# Altium PCB AIRZAI BASE BOARD REV C.PcbDoc (part 1 of 2)
Units mil, origin at the board's own origin, x right, y up, seen from the top; angles counter-clockwise.
Board outline 3352.11 x 2964.91 mil, 4 copper layers (Top Layer, MidLayer1, MidLayer2, Bottom Layer), stack 27.813 mil thick; 164 components, 100 nets, 463 pads, 356 vias.
Unrouted connection lines stored in the file: 150.
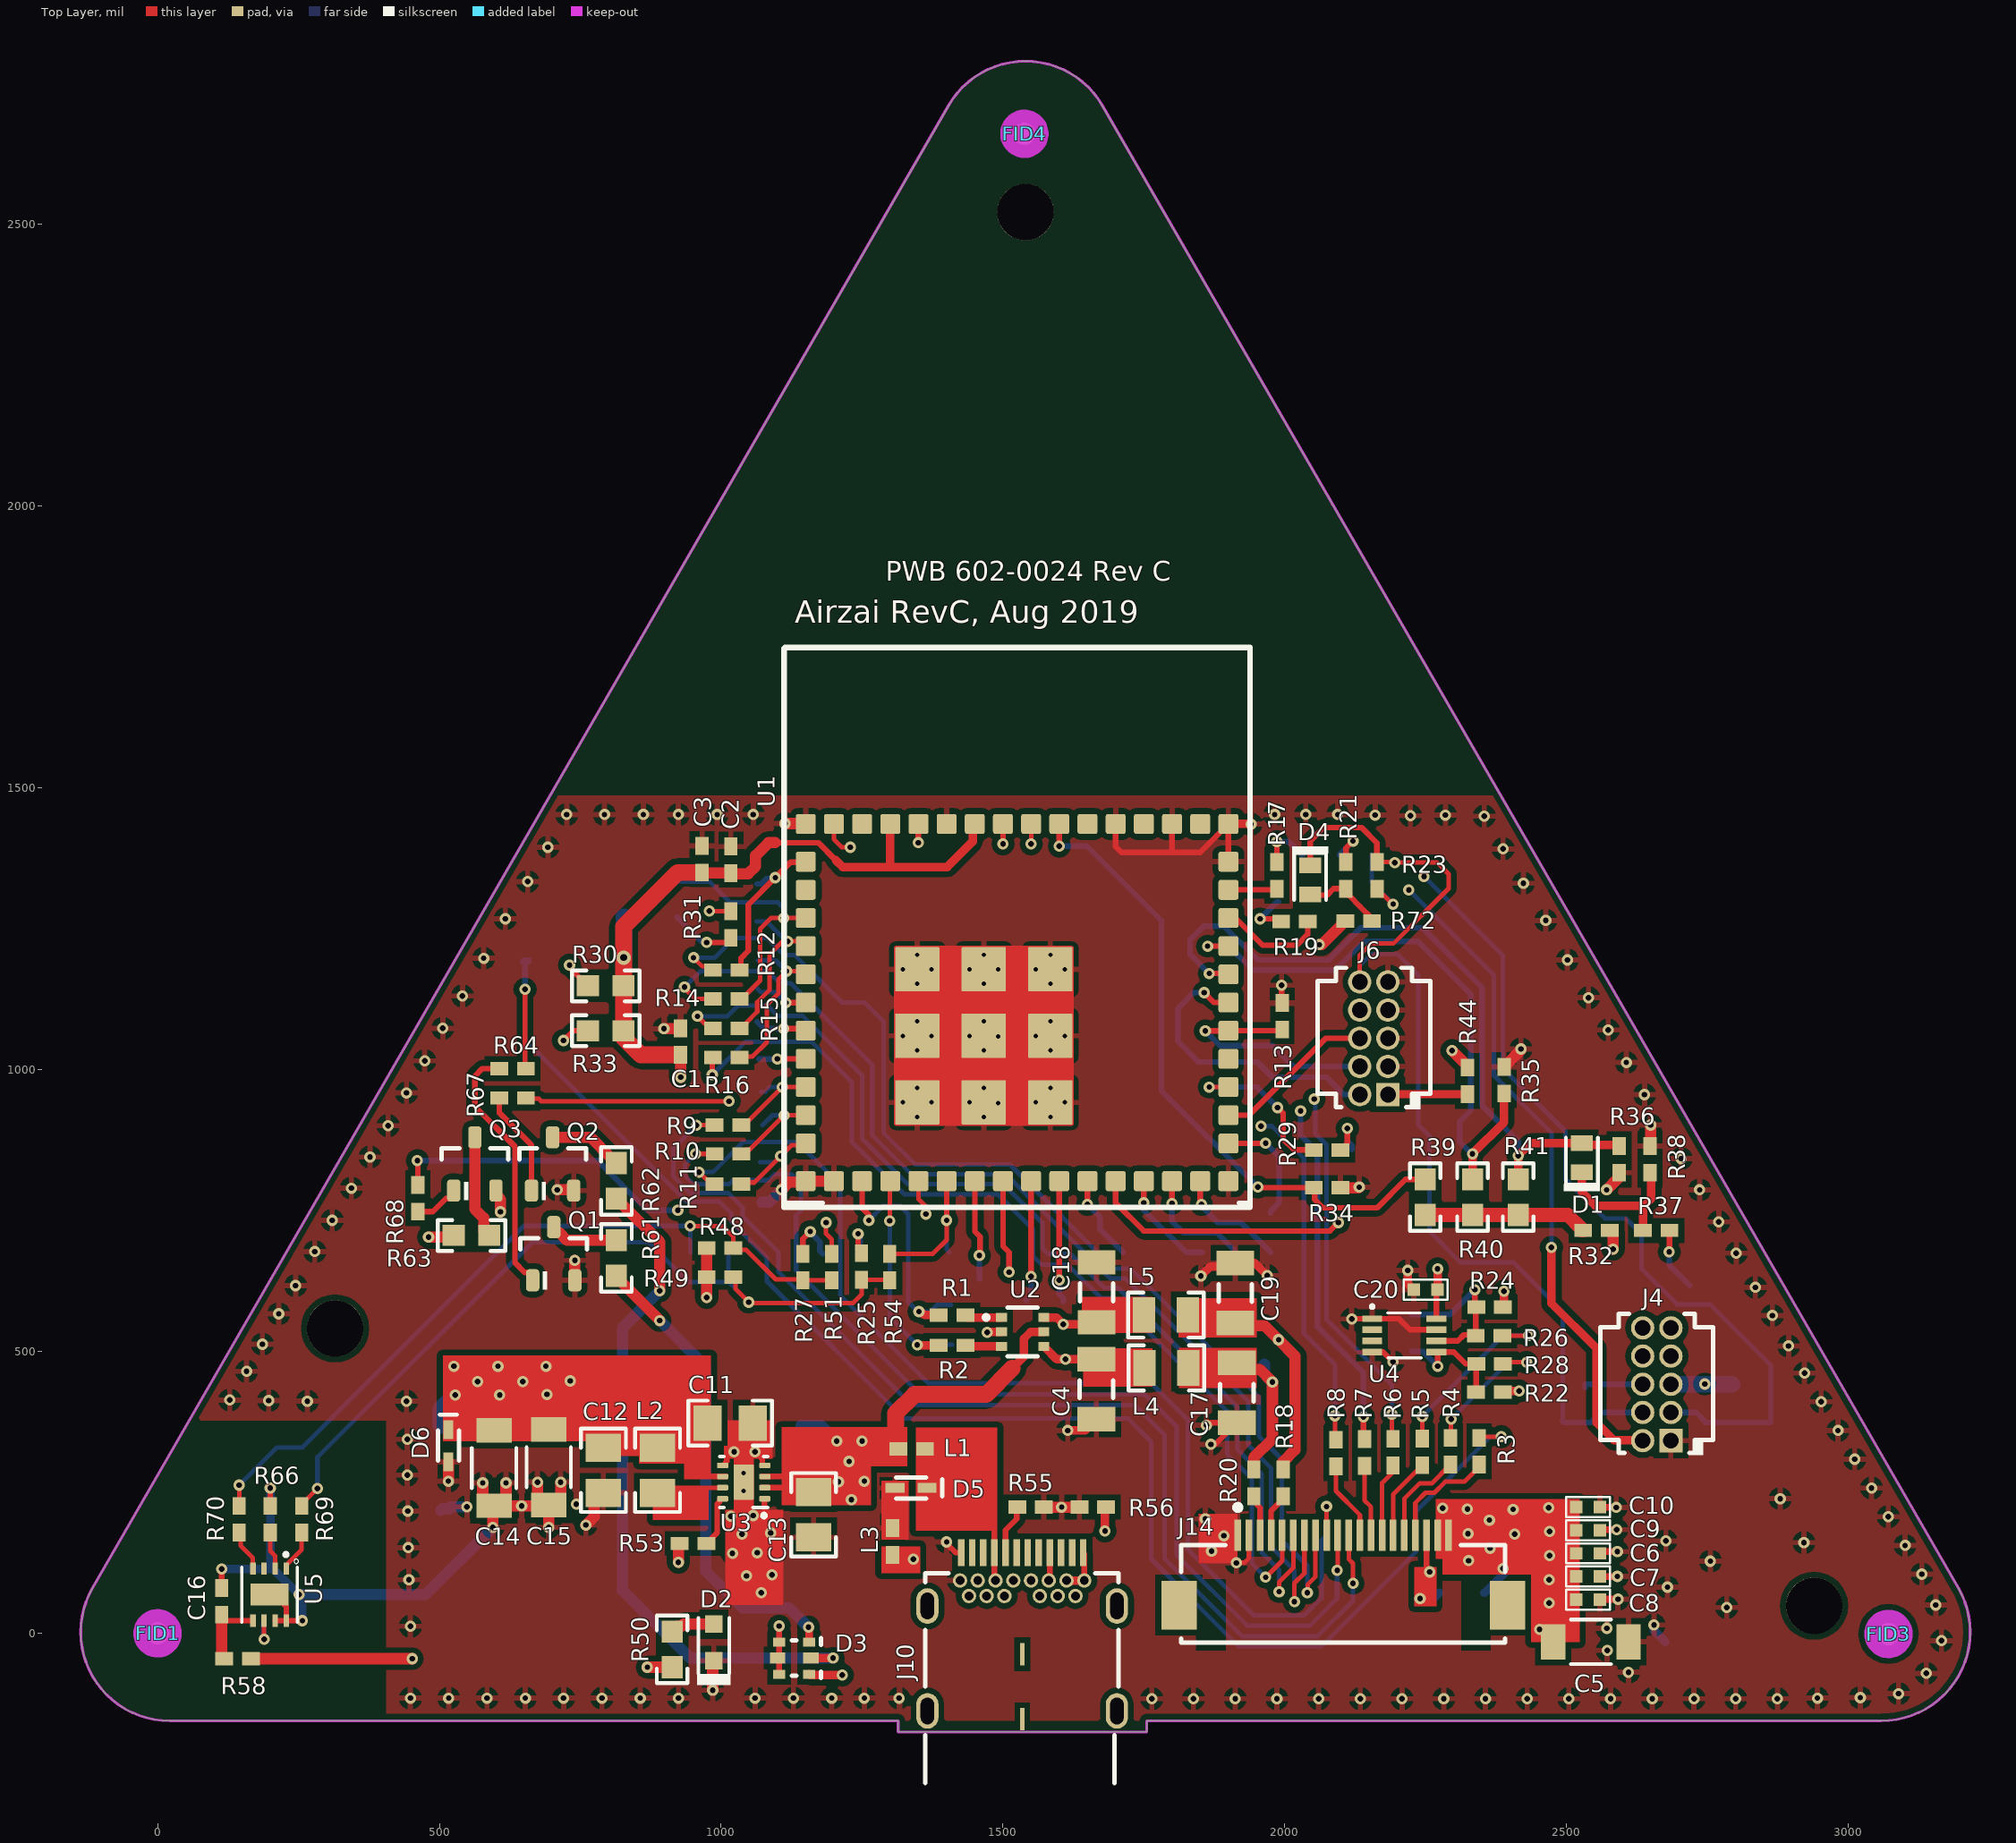
[diagram p0: Top Layer view]
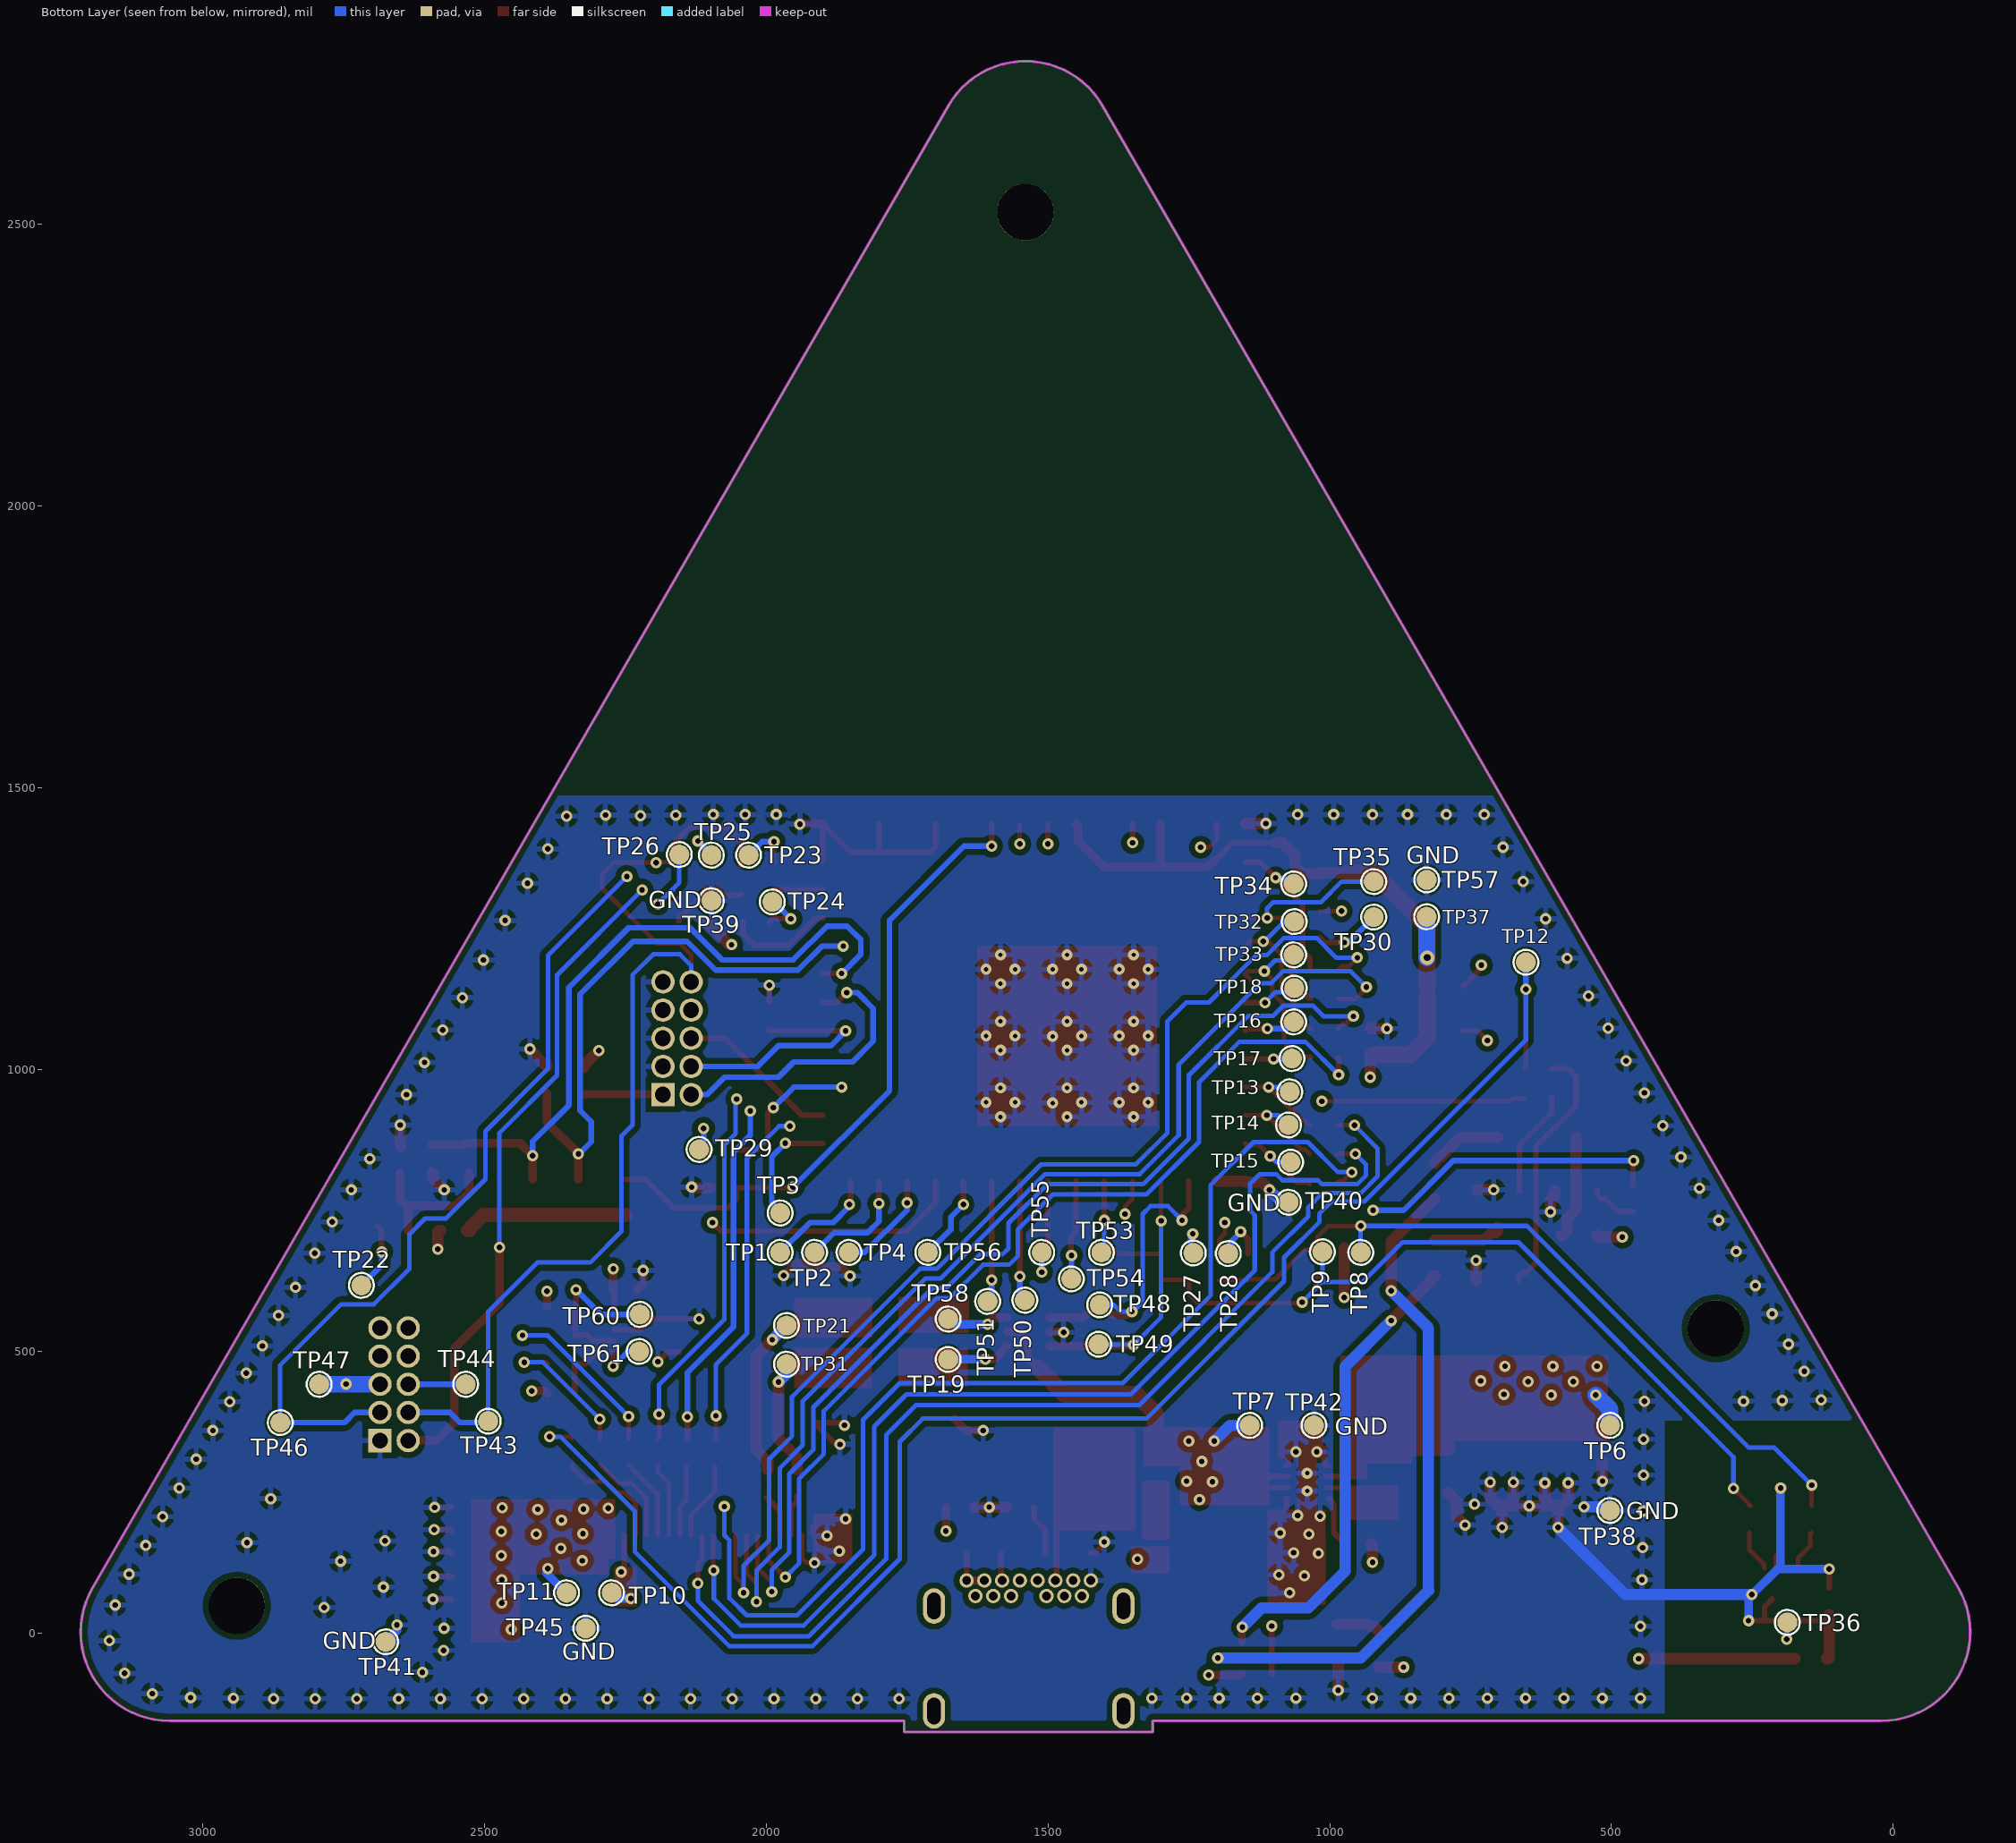
[diagram p1: Bottom Layer view, seen from below]
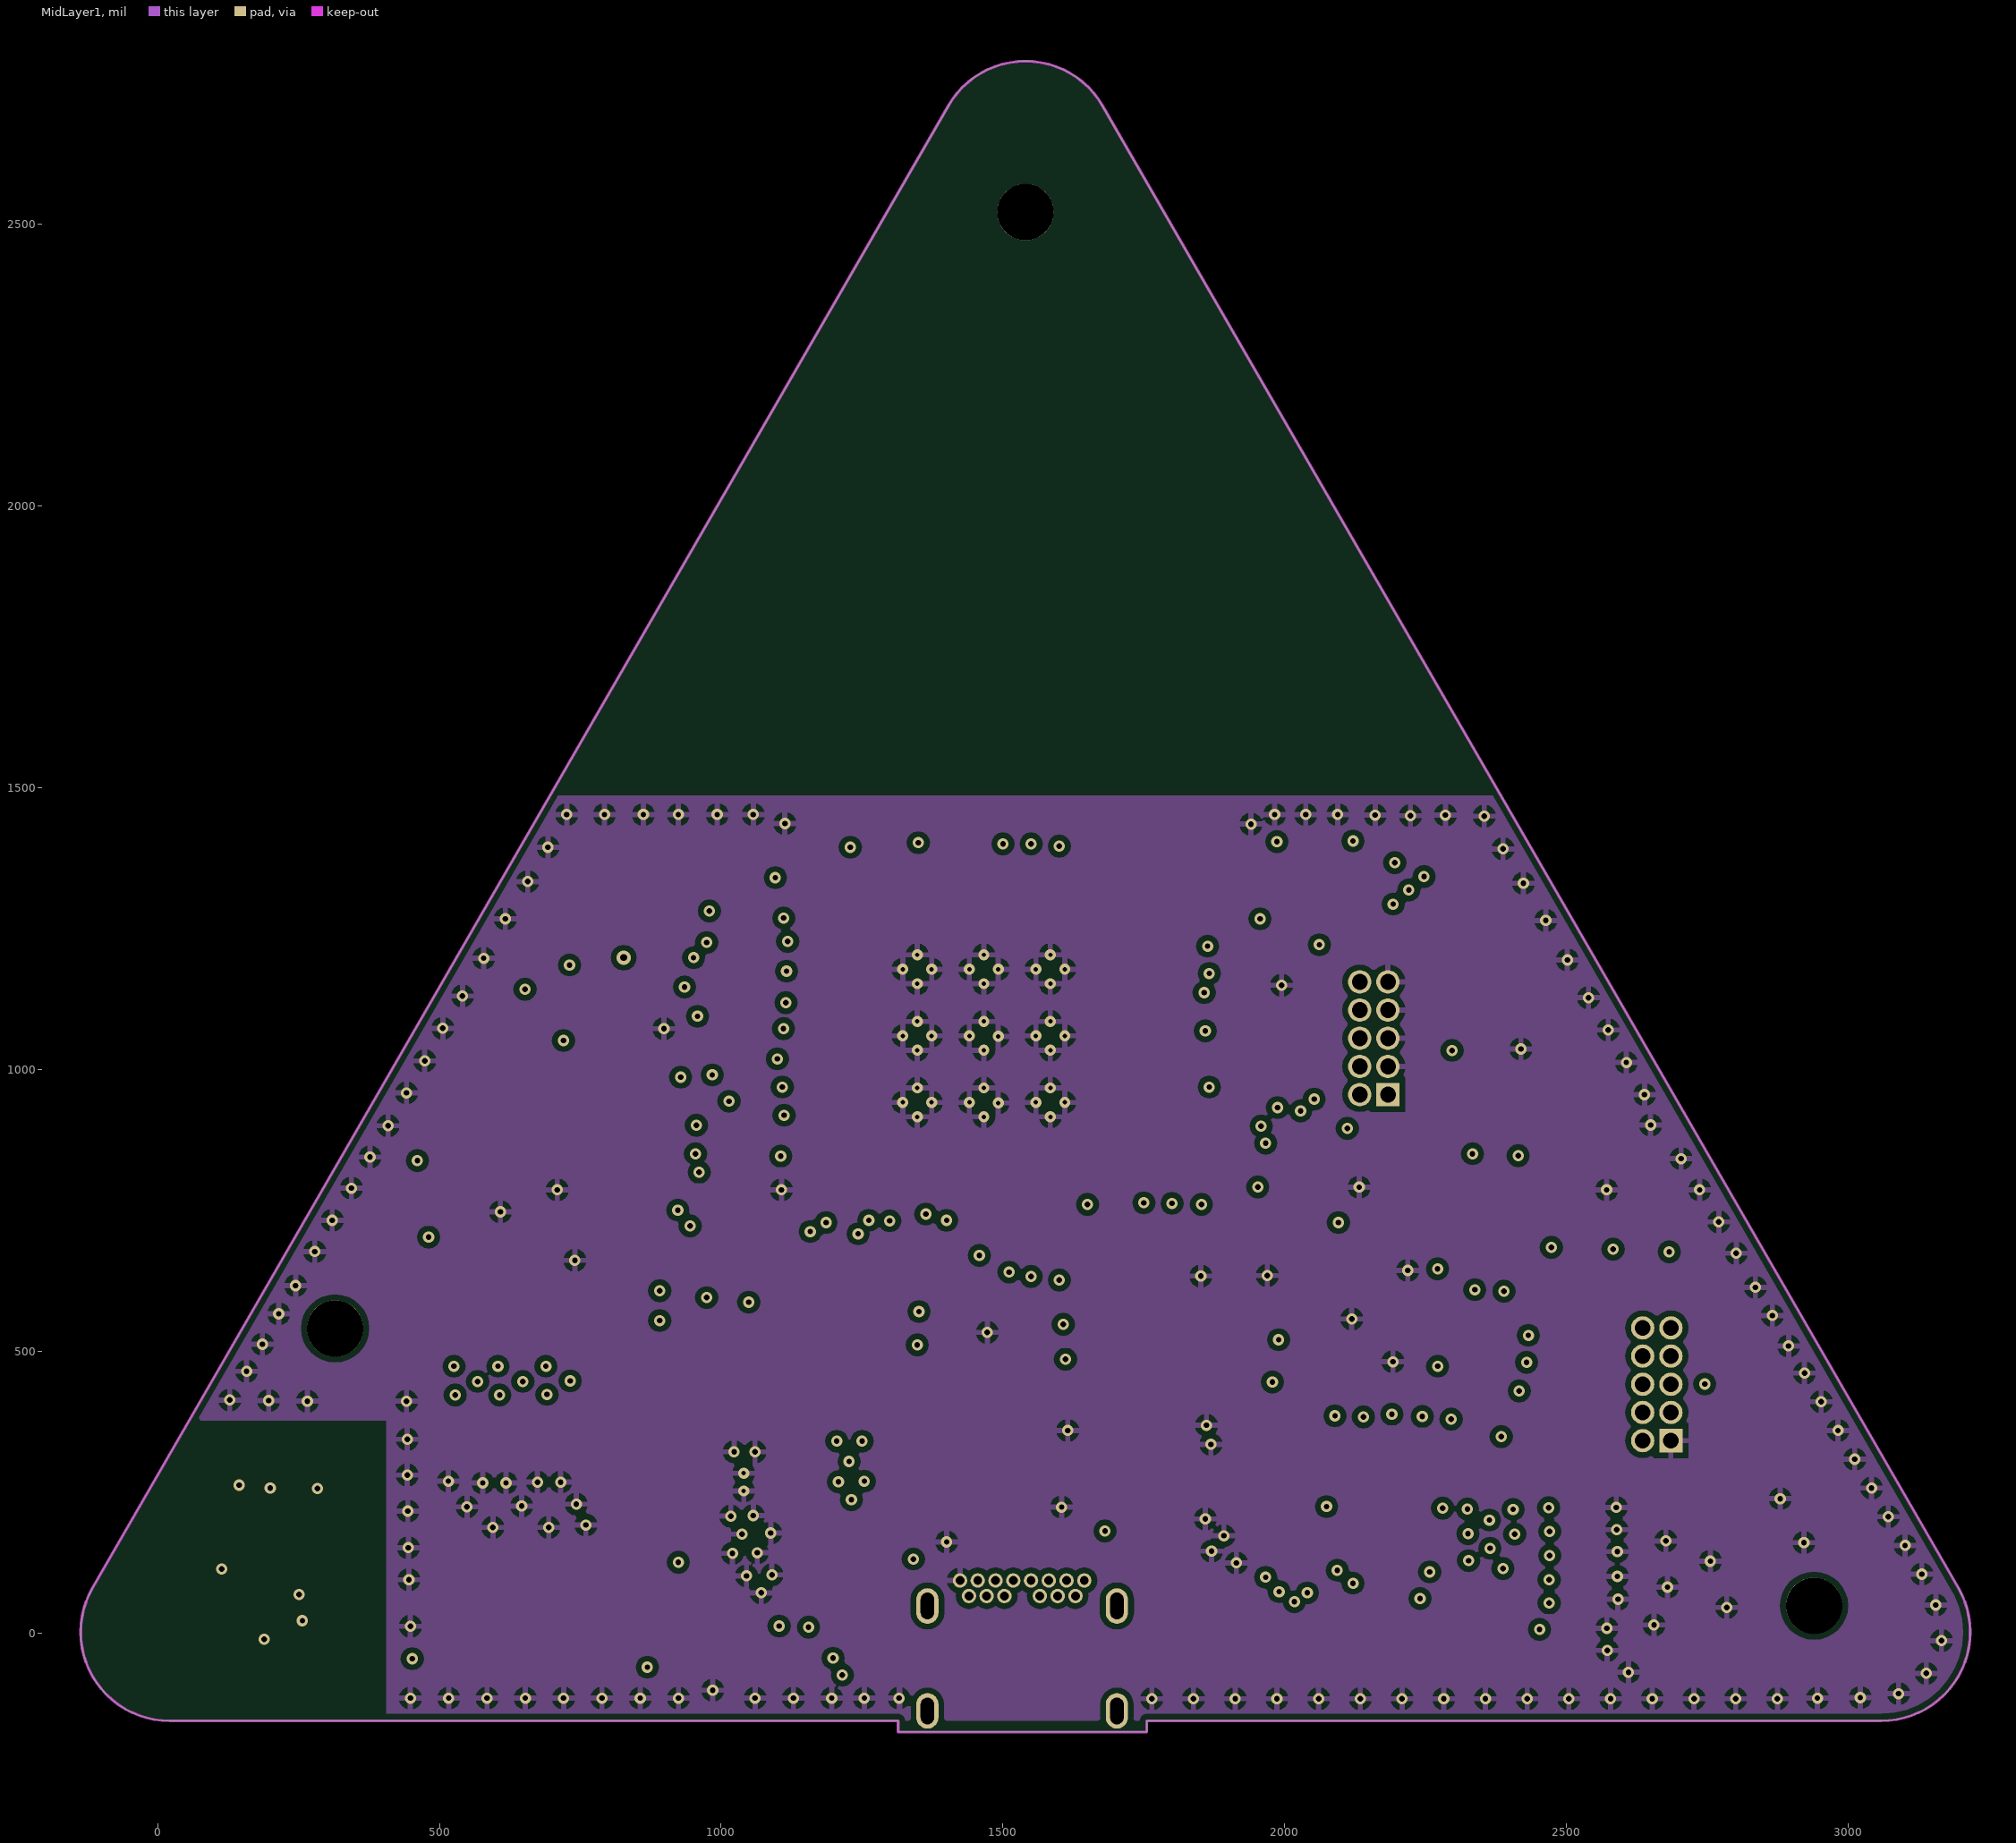
[diagram p2: MidLayer1]
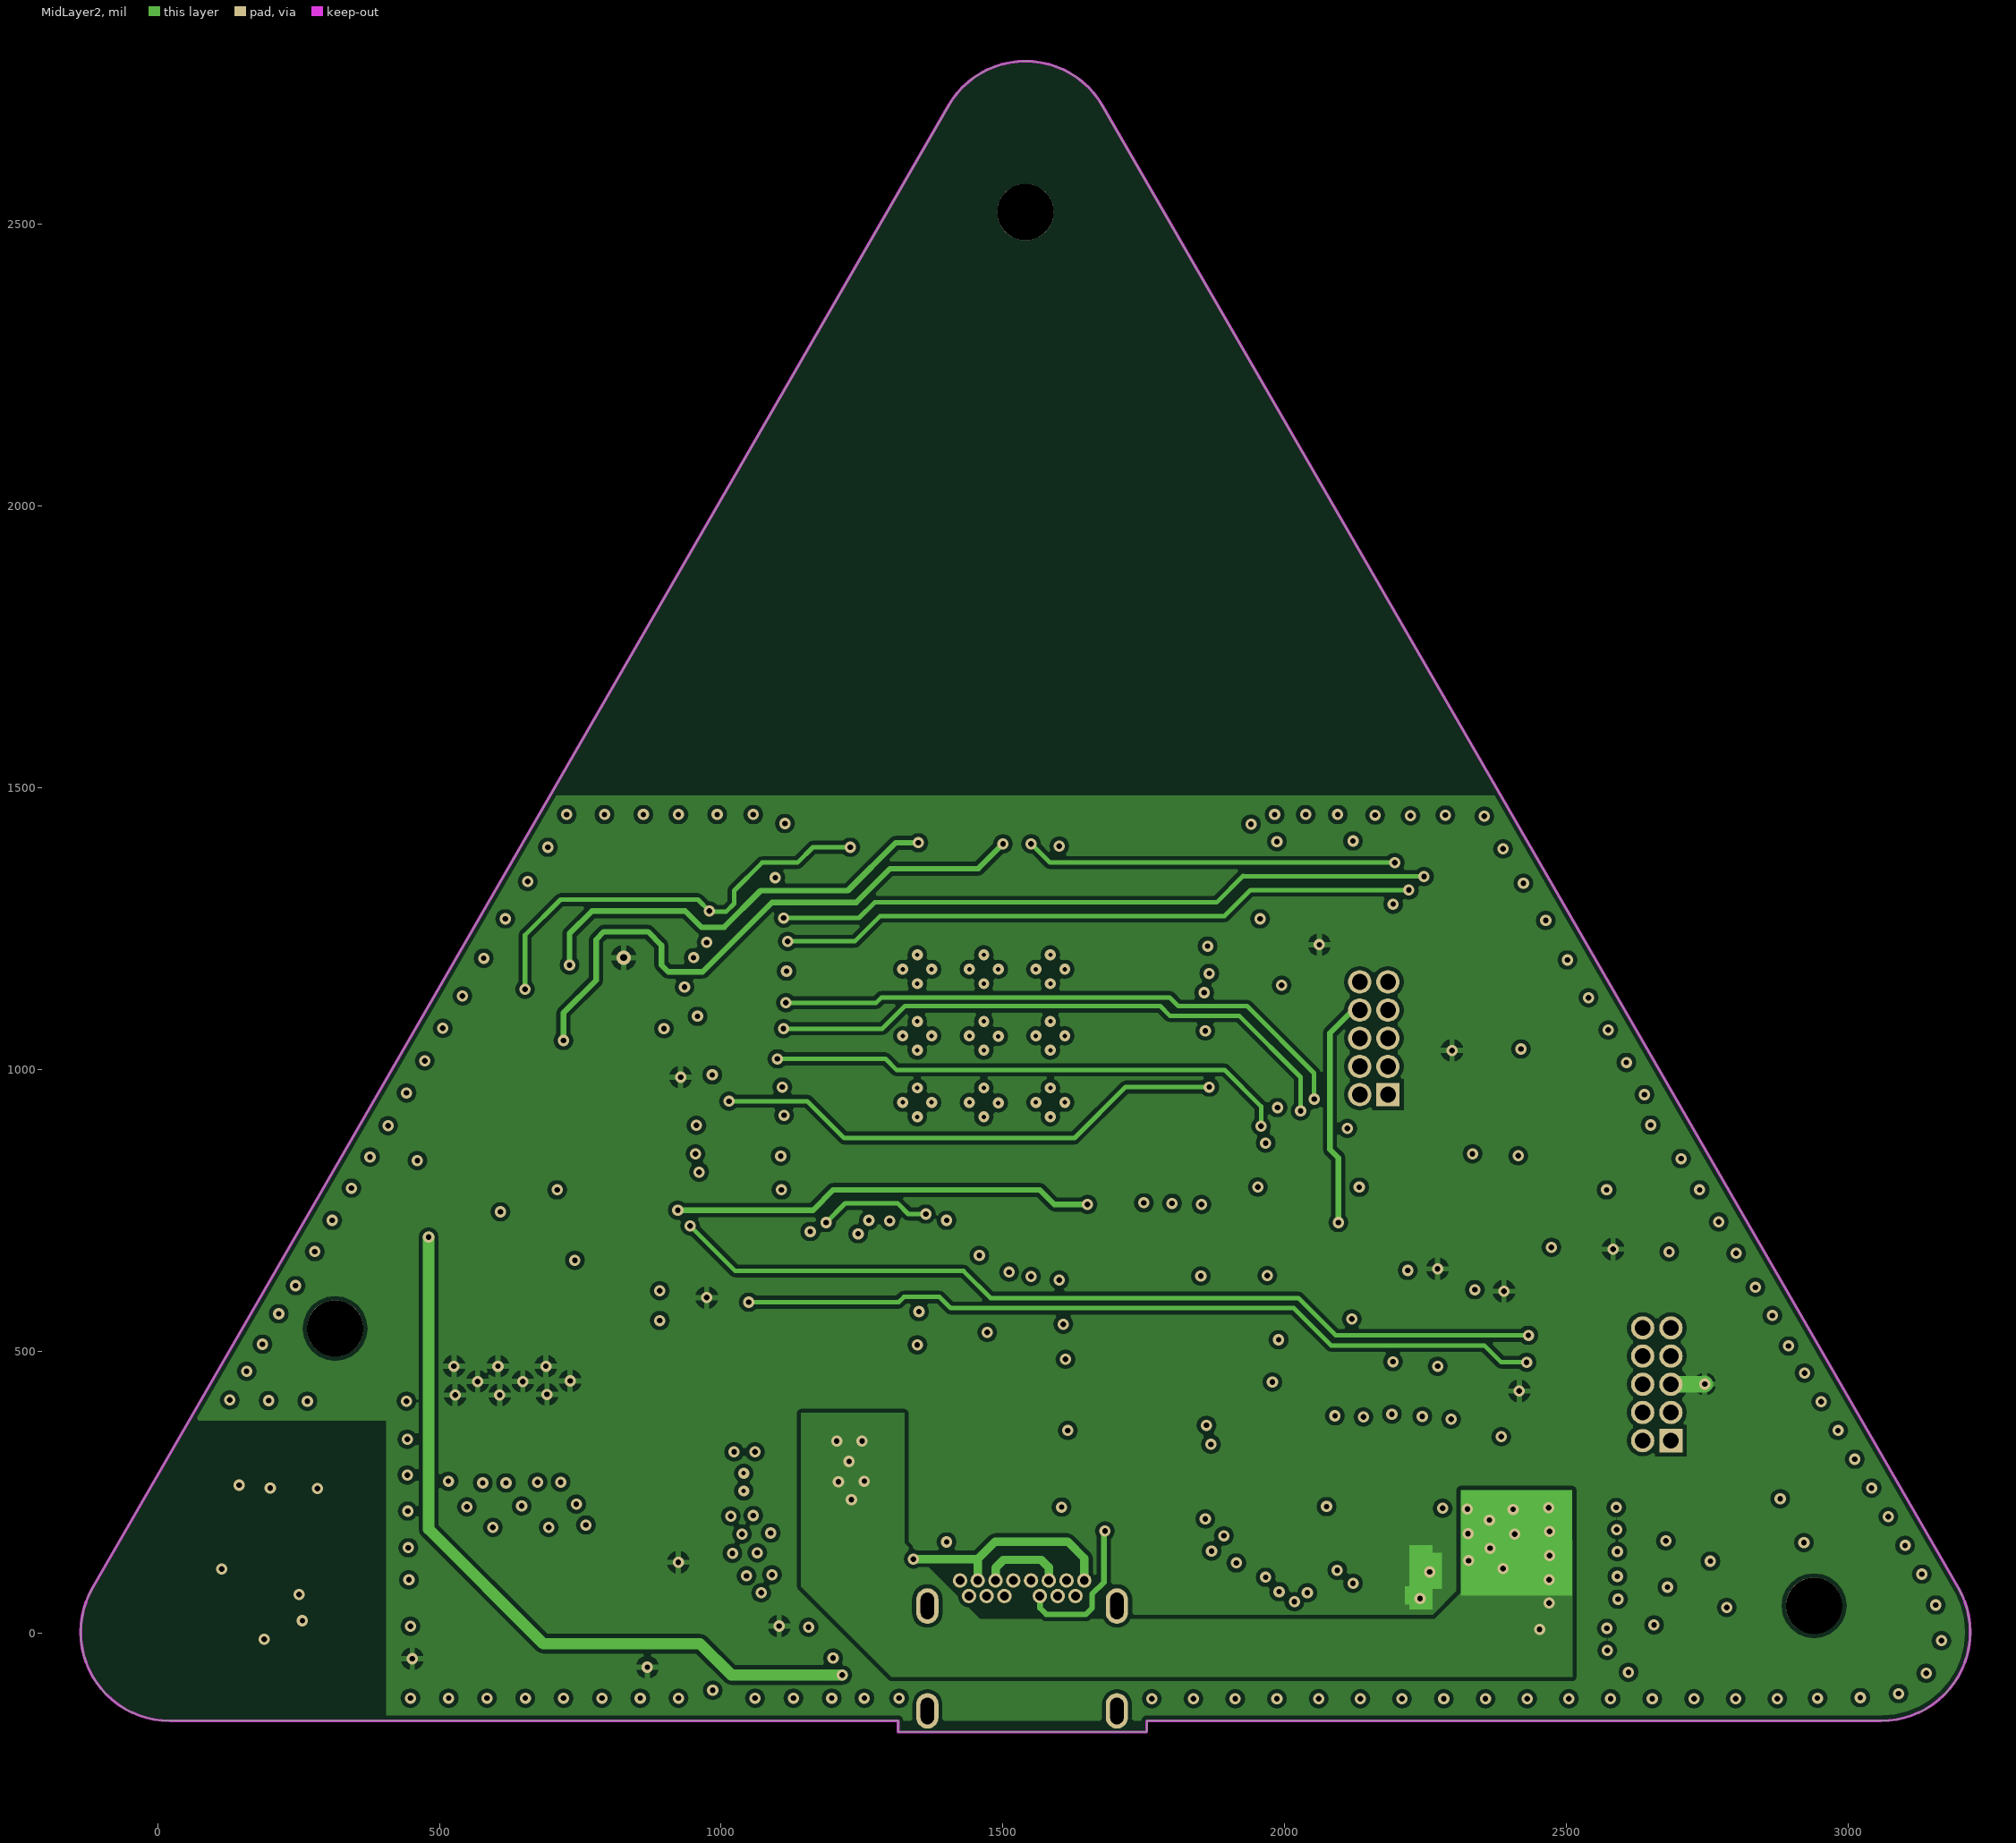
[diagram p3: MidLayer2]

## Layer stack, top to bottom
Top Solder: solder mask 1.968, Solder Resist, Dk 3.5
Top Layer: signal copper 1.402
Dielectric1: core 5.197, FR-4, Dk 4.8
MidLayer1: signal copper 1.402
Dielectric2: prepreg 11.811, FR-4, Dk 4.8
MidLayer2: signal copper 1.402
Dielectric3: core 5.197, FR-4, Dk 4.8
Bottom Layer: signal copper 1.402
Bottom Solder: solder mask 1.968, Solder Resist, Dk 3.5

## Board outline
1314,-175 1314,-155.3 21.27,-155.3 cw(c21.27,2.18) -115.11,80.92 1403.46,2711.17 cw(c1539.85,2632.43) 1676.23,2711.17 3194.8,80.92 cw(c3058.42,2.18) 3058.42,-155.3 1755,-155.3 1755,-175

## Design rules (kind name [scope] priority, off if disabled: settings)
Clearance Clearance_gnd_poly [(InNet('GND') AND InPolygon)] p1: gap=10 ignorepadtopadclearanceinfootprint=TRUE
Clearance [All] p2: gap=7 ignorepadtopadclearanceinfootprint=TRUE
MinimumSolderMaskSliver [All] p1: minsoldermaskwidth=0.5
PolygonConnect PolygonConnect_5V [InNet('VCC_5V')] p1: connectstyle=Direct reliefconductorwidth=10 reliefentries=4 polygonreliefangle="90 Angle" airgapwidth=10
PolygonConnect [All] p2: connectstyle=Relief reliefconductorwidth=10 reliefentries=4 polygonreliefangle="90 Angle" airgapwidth=10
RoomDefinition "AIRZAI_BASE_BD_REVC Sheet1" [InComponentClass('AIRZAI_BASE_BD_REVC Sheet1')] p1: confinementstyle=ConfineIn formatcopy=TRUE lockcomponents=FALSE outline -450,-706 9322,-706 9322,3021 -450,3021
RoomDefinition "AIRZAI_BASE_BD_REVC Sheet2" [InComponentClass('AIRZAI_BASE_BD_REVC Sheet2')] p2 off: confinementstyle=ConfineIn formatcopy=TRUE lockcomponents=FALSE outline -310,-649 9375,-649 9375,3066 -310,3066
RoutingVias [All] p1: holewidth=12 width=200 viastyle="Through Hole" minholewidth=10 minwidth=15 maxholewidth=25 maxwidth=200
SilkToSilkClearance [All] p1 off: silktosilkclearance=10
SilkToSolderMaskClearance [IsPad] p1: minsilkscreentomaskgap=2 clearancetoexposedcopper=TRUE
SolderMaskExpansion [All] p1: expansion=4
UnRoutedNet [All] p1: checkbadconnections=TRUE
Width [All] p1: maxlimit=1000 minlimit=6 preferedwidth=10
26 further rules are at their usual default settings.

## Classes and differential pairs
component class "AIRZAI_BASE_BD_REVC Sheet2": C4 C11 C12 C13 C14 C15 C16 C17 C18 C19 C20 D2 D3 D4 D5 D6 FID1 FID3 FID4 J10 J14 L1 L2 L3 L4 L5 Logo2 Q1 Q2 Q3 R1 R2 R3 R4 R5 R6 R7 R8 R9 R10 R11 R12 R14 R15 R16 R18 R20 R22 R24 R26 R28 R48 R49 R50 R51 R53 R54 R55 R56 R58 R61 R62 R63 R64 R66 R67 R68 R69 R70 R72 TP6 TP7 TP8 TP9 TP10 TP11 TP12 TP13 TP14 TP15 TP16 TP17 TP18 TP19 TP21 TP31 TP32 TP33 TP34 TP35 TP36 TP58 TP60 TP61 U2 U3 U4 U5
component class "AIRZAI_BASE_BD_REVC Sheet1": C1 C2 C3 C5 C6 C7 C8 C9 C10 D1 J4 J6 R13 R17 R19 R21 R23 R25 R27 R29 R30 R31 R32 R33 R34 R35 R36 R37 R38 R39 R40 R41 R44 TP1 TP2 TP3 TP4 TP22 TP23 TP24 TP25 TP26 TP27 TP28 TP29 TP30 TP37 TP38 TP39 TP40 TP41 TP42 TP43 TP44 TP45 TP46 TP47 TP48 TP49 TP50 TP51 TP53 TP54 TP55 TP56 TP57 U1
